# KiCad board GPDI_ULX3S_panel.kicad_pcb (continued)
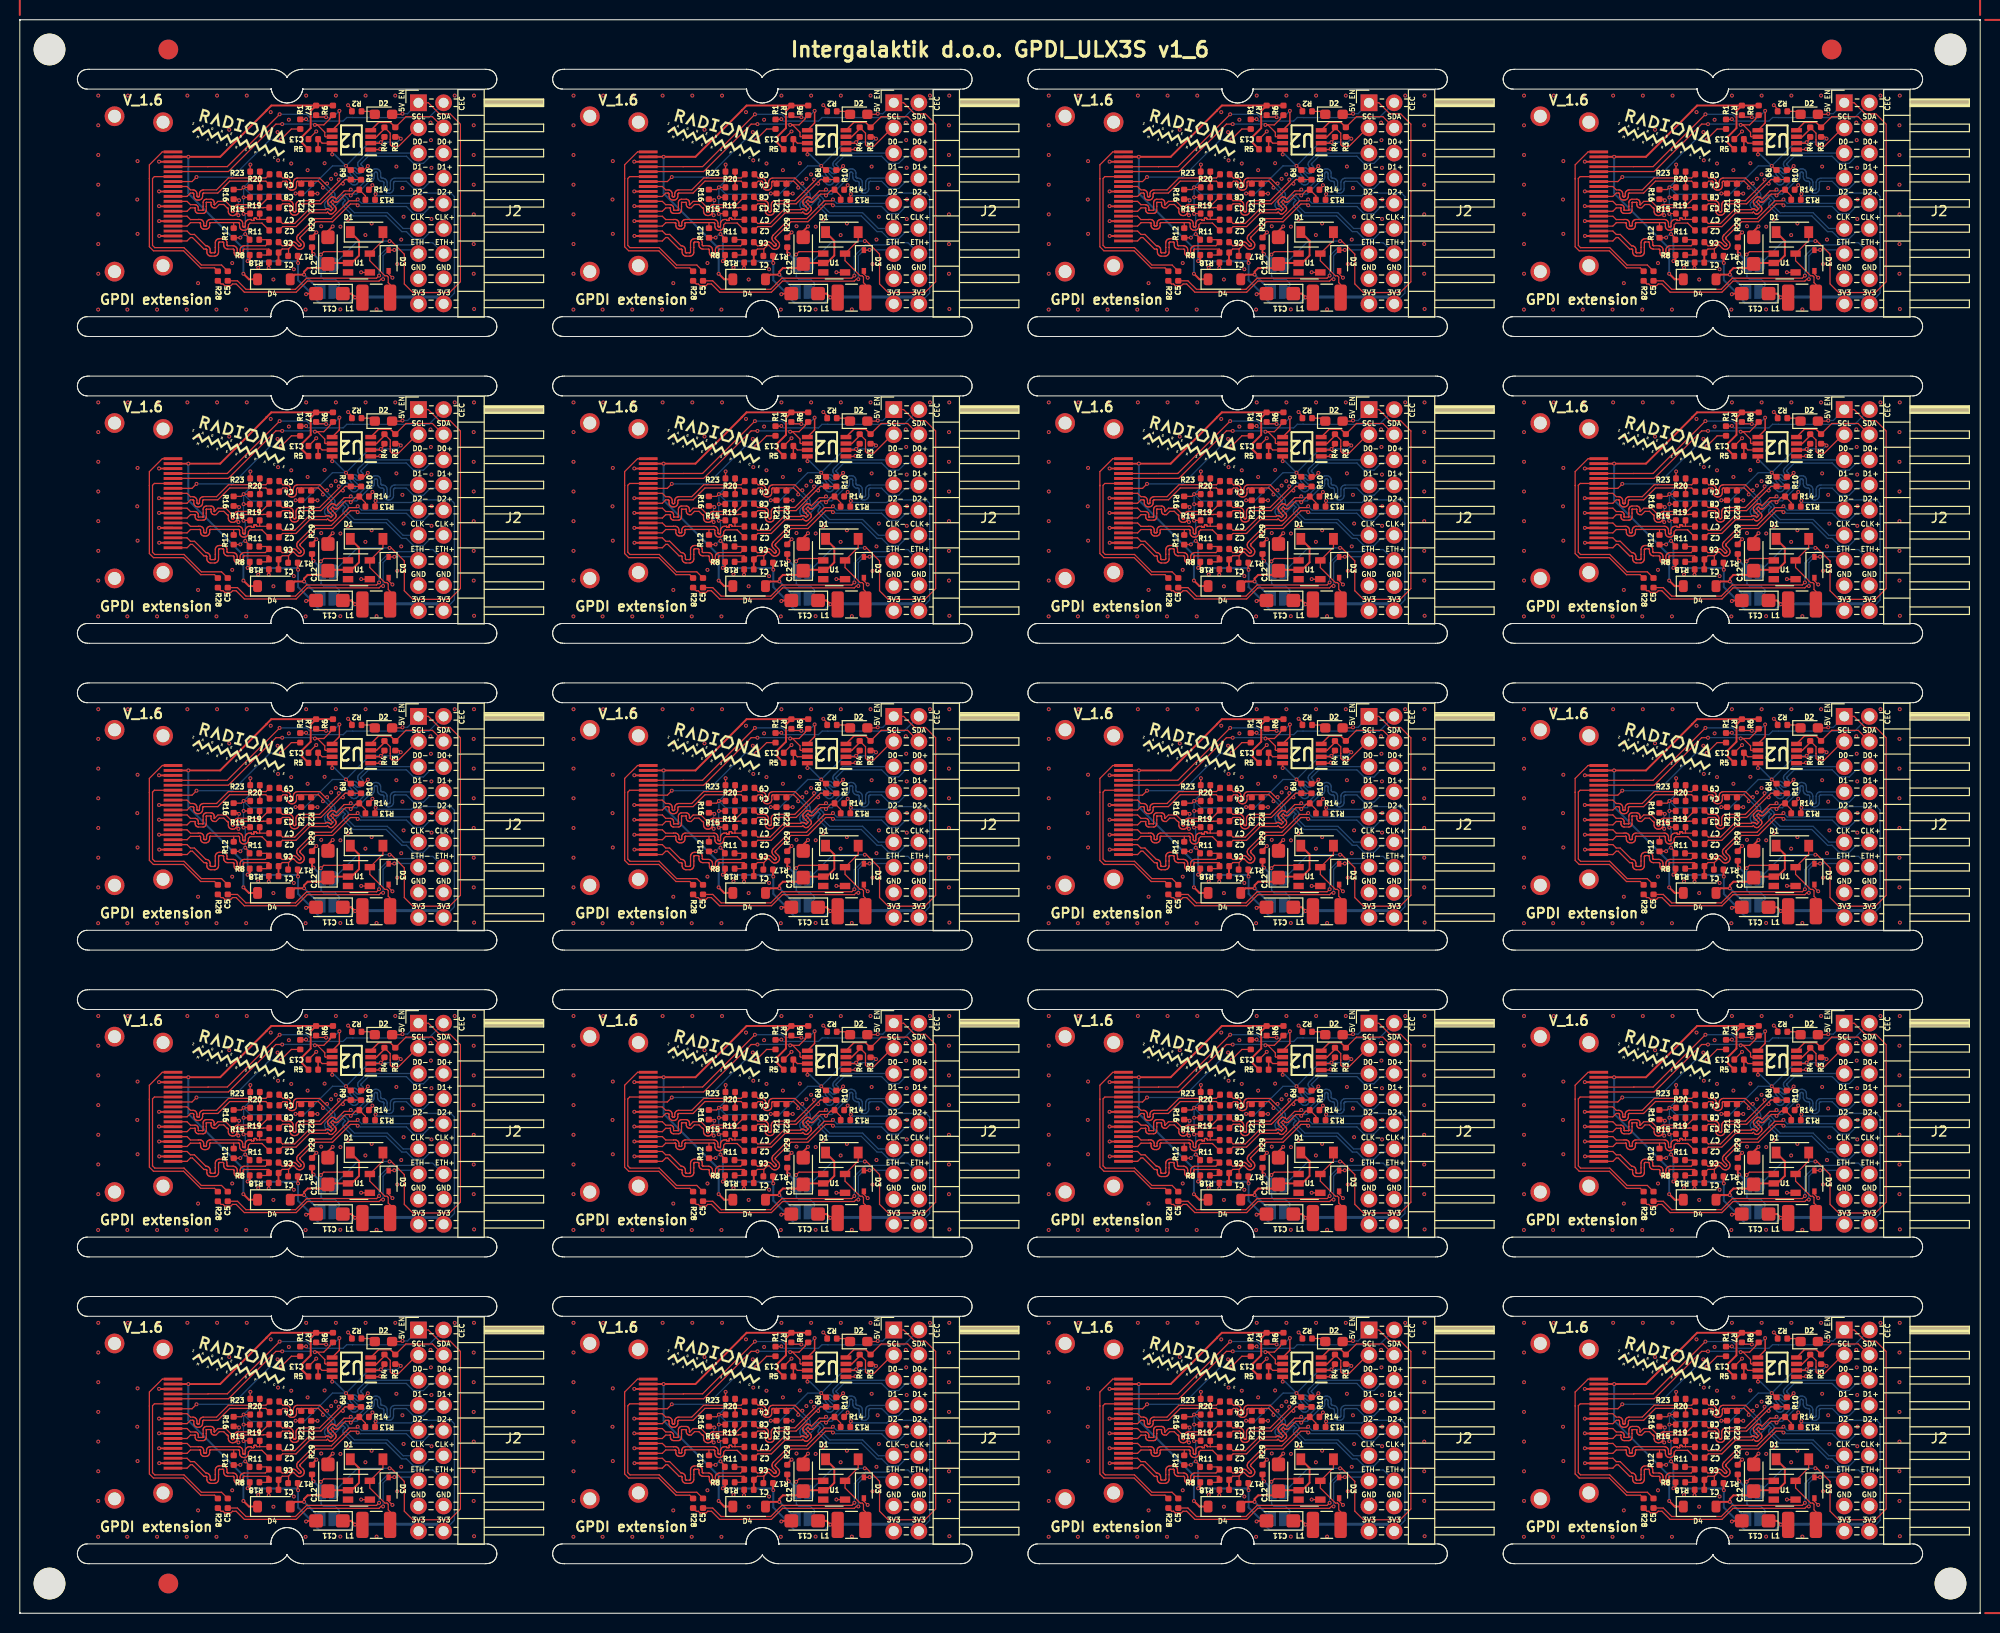
[diagram p0: board, top side]
## Routing (per net, layer and track width the routed paths; a pad name or vN(x,y) marks a point on that pad's centre or on a via; arc(x,y) is an arc through that point) (continued)
  Bottom w0.127: v1(32.63,20.44) 32.63,20.63 32.85,20.85 32.87,20.87 32.9,20.88 32.93,20.89 32.96,20.89 32.99,20.88 33.02,20.87 33.05,20.85 33.46,20.43 33.54,20.37 33.62,20.33 33.72,20.31 33.82,20.31 33.91,20.33 34,20.37 34.07,20.43 34.11,20.47 34.17,20.55 34.21,20.63 34.24,20.73 34.24,20.83 34.21,20.92 34.17,21.01 34.11,21.08 33.7,21.5 33.68,21.52 33.66,21.55 33.66,21.58 33.66,21.61 33.66,21.64 33.68,21.67 33.7,21.7 33.71,21.71 33.73,21.72 33.75,21.72 33.77,21.72 33.79,21.72 33.81,21.71 33.83,21.7 33.95,21.57 34.02,21.51 34.1,21.48 34.18,21.46 34.27,21.46 34.35,21.48 34.43,21.51 34.5,21.57 34.6,21.67 34.66,21.74 34.7,21.82 34.72,21.9 34.72,21.99 34.7,22.07 34.66,22.15 34.6,22.22 34.48,22.35 34.46,22.36 34.45,22.38 34.45,22.4 34.45,22.42 34.45,22.44 34.46,22.46 34.48,22.47 35.22,23.22 39.04,23.22 39.76,22.49 40.76,22.49 41.48,23.22 42.48,23.22 J2#4.6
Board_16-GPDI_D0-: length 20.9
  Top w0.127: C8#15.1 26.53,18.72 27.18,18.72 27.28,18.71 27.37,18.68 27.45,18.63 27.52,18.56 27.57,18.48 27.6,18.39 27.61,18.29 27.61,17.72 27.62,17.69 27.63,17.66 27.64,17.63 27.66,17.61 27.69,17.59 27.72,17.58 27.75,17.58 27.78,17.58 27.81,17.59 27.84,17.61 27.86,17.63 27.88,17.66 27.89,17.69 27.89,17.72 27.89,18.29 27.9,18.39 27.94,18.48 27.99,18.56 28.06,18.63 28.14,18.68 28.23,18.71 28.33,18.72 30.27,18.72 32.22,20.67 v1(32.22,20.86)
  Bottom w0.127: v1(32.22,20.86) 32.41,20.86 32.64,21.09 32.72,21.15 32.81,21.19 32.9,21.22 33,21.22 33.09,21.19 33.18,21.15 33.25,21.09 33.67,20.68 33.69,20.66 33.72,20.64 33.75,20.64 33.78,20.64 33.81,20.64 33.84,20.66 33.87,20.68 33.89,20.7 33.9,20.73 33.91,20.76 33.91,20.79 33.9,20.82 33.89,20.85 33.87,20.88 33.45,21.29 33.39,21.37 33.35,21.45 33.33,21.55 33.33,21.65 33.35,21.74 33.39,21.83 33.45,21.9 33.49,21.94 33.56,21.99 33.63,22.03 33.72,22.05 33.8,22.05 33.89,22.03 33.97,21.99 34.03,21.94 34.16,21.81 34.18,21.8 34.2,21.79 34.22,21.78 34.24,21.78 34.26,21.79 34.28,21.8 34.29,21.81 34.36,21.88 34.37,21.9 34.38,21.91 34.39,21.93 34.39,21.95 34.38,21.97 34.37,21.99 34.36,22.01 34.23,22.14 34.18,22.21 34.14,22.28 34.12,22.37 34.12,22.45 34.14,22.54 34.18,22.62 34.23,22.68 35.08,23.53 J2#4.5
Board_16-GPDI_D1+: length 26.6
  Top w0.127: R13#6.2 34.91,19.21 R14#9.1 34.19,19.74 33.91,19.74 v1(33.42,19.25) 33.29,19.39 32.89,19.39 32.16,18.66 32.1,18.61 32.04,18.59 31.98,18.57 31.91,18.57 31.85,18.59 31.79,18.61 31.73,18.66 31.61,18.78 31.41,18.58 31.63,18.36 31.62,18.35 31.86,18.11 31.9,18.06 31.93,17.99 31.95,17.93 31.95,17.86 31.93,17.8 31.9,17.74 31.86,17.68 31.63,17.46 31.58,17.42 31.52,17.39 31.46,17.37 31.39,17.37 31.32,17.39 31.26,17.42 31.21,17.46 31.08,17.58 30.99,17.49 29.29,17.49 27.9,16.1 26.54,16.1 C2#12.1
  Bottom w0.127: J2#4.8 42.48,20.68 41.48,20.68 40.76,19.95 39.76,19.95 39.04,20.68 37.91,20.68 37.87,20.67 37.84,20.66 37.81,20.64 37.78,20.61 37.76,20.58 37.75,20.55 37.75,20.51 37.75,19.94 37.73,19.84 37.7,19.74 37.65,19.65 37.57,19.58 37.49,19.53 37.39,19.49 37.29,19.48 37.23,19.48 37.13,19.49 37.04,19.53 36.95,19.58 36.88,19.65 36.82,19.74 36.79,19.84 36.78,19.94 36.78,20.51 36.77,20.55 36.76,20.58 36.74,20.61 36.71,20.64 36.68,20.66 36.65,20.67 36.61,20.68 36.58,20.68 36.48,20.69 36.39,20.72 36.3,20.78 36.23,20.85 36.17,20.93 36.14,21.03 36.13,21.13 36.13,21.45 36.12,21.49 36.11,21.53 36.09,21.56 36.06,21.58 36.03,21.6 36,21.62 35.96,21.62 35.92,21.62 35.89,21.6 35.86,21.58 35.83,21.56 35.81,21.53 35.8,21.49 35.8,21.45 35.8,21.13 35.78,21.03 35.75,20.93 35.7,20.85 35.62,20.78 35.54,20.72 35.44,20.69 35.34,20.68 35.31,20.68 34.03,19.39 33.56,19.39 v1(33.42,19.25)
Board_16-GPDI_D1-: length 21
  Top w0.127: v1(33.42,19.85) 33.29,19.71 32.76,19.71 31.94,18.89 31.82,19.02 31.77,19.06 31.71,19.09 31.64,19.11 31.57,19.11 31.51,19.09 31.45,19.06 31.39,19.02 31.17,18.79 31.13,18.74 31.1,18.68 31.08,18.62 31.08,18.55 31.1,18.48 31.13,18.42 31.17,18.37 31.41,18.13 31.4,18.12 31.62,17.9 31.42,17.7 31.3,17.82 31.24,17.86 31.18,17.89 31.12,17.91 31.05,17.91 30.98,17.89 30.92,17.86 30.87,17.82 30.86,17.81 29.16,17.81 27.77,16.42 26.54,16.42 C7#2.1
  Bottom w0.127: v1(33.42,19.85) 33.56,19.71 33.89,19.71 35.18,21 35.31,21 35.35,21 35.38,21.01 35.41,21.03 35.44,21.06 35.46,21.09 35.47,21.12 35.48,21.16 35.48,21.48 35.49,21.58 35.52,21.68 35.58,21.77 35.65,21.84 35.74,21.89 35.83,21.93 35.93,21.94 35.99,21.94 36.09,21.93 36.19,21.89 36.27,21.84 36.35,21.77 36.4,21.68 36.43,21.58 36.45,21.48 36.45,21.16 36.45,21.12 36.46,21.09 36.48,21.06 36.51,21.03 36.54,21.01 36.57,21 36.61,21 36.64,21 36.74,20.98 36.84,20.95 36.92,20.9 37,20.82 37.05,20.74 37.08,20.64 37.1,20.54 37.1,19.97 37.1,19.93 37.11,19.89 37.13,19.86 37.16,19.84 37.19,19.82 37.22,19.8 37.26,19.8 37.3,19.8 37.33,19.82 37.36,19.84 37.39,19.86 37.41,19.89 37.42,19.93 37.43,19.97 37.43,20.54 37.44,20.64 37.47,20.74 37.53,20.82 37.6,20.9 37.69,20.95 37.78,20.98 37.88,21 J2#4.7
Board_16-GPDI_D2+: length 22.7
  Top w0.127: R17#3.2 27.14,13.19 27.14,13.84 ; C1.1 26.5,13.84 27.14,13.84 ; 27.14,13.84 27.49,14.19 27.51,14.21 27.54,14.22 27.57,14.23 27.6,14.23 27.63,14.22 27.66,14.21 27.69,14.19 27.96,13.92 28.03,13.86 28.12,13.82 28.21,13.79 28.31,13.79 28.4,13.82 28.49,13.86 28.57,13.92 28.61,13.96 28.67,14.03 28.71,14.12 28.73,14.21 28.73,14.31 28.71,14.41 28.67,14.49 28.61,14.57 28.34,14.84 28.32,14.86 28.3,14.89 28.3,14.92 28.3,14.95 28.3,14.98 28.32,15.01 28.34,15.04 29.89,16.59 31.59,16.59 33.39,18.39 33.99,18.39 v1(34.12,18.25)
  Top w0.2: C1.1 26.13,13.47 R18#2.1
  Bottom w0.127: J2#4.10 42.48,18.14 41.48,18.14 40.76,17.41 39.76,17.41 39.04,18.14 34.38,18.14 34.27,18.25 v1(34.12,18.25)
Board_16-GPDI_D2-: length 17.8
  Top w0.127: C6#2.1 26.5,14.16 27.01,14.16 27.28,14.43 27.36,14.49 27.44,14.53 27.54,14.56 27.64,14.56 27.73,14.53 27.82,14.49 27.89,14.43 28.16,14.16 28.19,14.14 28.21,14.13 28.25,14.12 28.28,14.12 28.31,14.13 28.34,14.14 28.36,14.16 28.38,14.19 28.39,14.22 28.4,14.25 28.4,14.28 28.39,14.31 28.38,14.34 28.36,14.36 28.09,14.63 28.03,14.71 27.99,14.79 27.97,14.89 27.97,14.98 27.99,15.08 28.03,15.17 28.09,15.24 29.76,16.91 31.46,16.91 33.26,18.71 33.99,18.71 v1(34.12,18.85)
  Bottom w0.127: J2#4.9 34.52,18.46 v1(34.12,18.85)
Board_16-GPDI_ETH+: length 25.7
  Top w0.127: C5#6.1 21.98,10.62 22.84,9.77 27.84,9.77 28.97,10.89 36.03,10.89 v1(36.29,11.15)
  Bottom w0.127: v1(36.29,11.15) 36.29,13.13 37.41,14.25 39.65,14.25 39.87,14.47 41.71,14.47 J2#4.14
Board_16-GPDI_ETH-: length 24.8
  Top w0.127: 37.25,13.72 37.8,13.72 v1(37.82,13.75) ; v1(36.69,10.79) 36.48,10.79 36.29,10.6 29.03,10.6 27.91,9.48 22.68,9.48 21.85,10.31 21.48,10.31 21.31,10.14 20.69,10.14 20.52,10.31 20.32,10.31 R28#9.2
  Bottom w0.127: J2#4.13 39.89,13.75 v1(37.83,13.75) 37.27,13.75 36.69,13.16 36.69,10.79 v1(36.69,10.79)
Board_16-GPDI_SCL: length 21.1
  Top w0.127: P1#18.15 15.48,21.67 21.07,21.67 25.86,26.46 v1(26.5,26.46) ; R6#17.2 31.32,27.06 31.32,27 30.7,26.38 v1(29.8,26.38) 30.05,26.38 30.8,25.63 30.8,25.25 30.87,25.18 U2#10.6
  Bottom w0.127: v1(26.5,26.46) 26.51,26.47 29.71,26.47 v1(29.8,26.38)
Board_16-GPDI_SDA: length 22.8
  Top w0.127: R7#11.2 30.11,27.18 30.91,27.18 v1(30.93,27.16) ; P1#18.16 19.01,22.15 19.02,22.17 20.96,22.17 v1(26.24,27.45)
  Top w0.15: U2#10.5 32.28,26.57 v1(32.28,27.8)
  Bottom w0.127: v1(26.24,27.45) 28.97,27.45 29.25,27.17 30.92,27.17 v1(30.93,27.16) 30.99,27.1 31.58,27.1 v1(32.28,27.8)
Board_16-Net-(D1-A): length 8.1
  Top w0.127: L1#14.2 37.4,10.25 37.21,10.44 37.21,11.01 37.08,11.13 36.87,11.13 35.35,12.66 U1#7.5 36.67,14.7 D1#8.2
Board_16-Net-(D1-K): length 13.2
  Top w0.2: D1#8.1 34.26,14.66 34.26,13.18 33.51,12.43 U1#7.2 31.22,12.43 C12#10.1 30.7,11.91 29.07,11.91 28.71,11.55 v1(28.71,11.25) 27.78,11.25 D4#9.2
  Bottom w0.2: JP2#17.1 30.37,9.59 v1(28.71,11.25)
Board_16-Net-(D2-K): length 1.5
  Top w0.127: R2#8.1 35.55,27.75 D2#4.1
Board_16-Net-(U2-VREF2): length 2.6
  Top w0.127: C13#5.1 30.53,24.53 U2#10.7
  Top w0.15: R5#16.2 C13#5.1
Board_16-PMOD_SCL: length 8.1
  Top w0.127: 39.88,25.69 J2#4.3 40.11,26.07 38.25,24.21 37.59,24.21 37.41,24.38 37.41,24.88 37.41,24.88 37.41,25.55 R4#14.2
  Top w0.15: R4#14.2 36.82,25.98 36.03,25.18 U2#10.3
Board_16-PMOD_SDA: length 8.8
  Top w0.127: J2#4.4 41.67,27.21 39,27.21 R3#19.2
  Top w0.15: U2#10.4 36.24,26.63 37.43,26.63 R3#19.2
Board_17-5V_ENABLE: length 54.8
  Top w0.127: v1(85.34,14.64) 85.51,14.64 86.83,13.32 86.83,10.31 87.7,9.44 91.41,9.44 92.5,10.53 92.5,26.45 91.46,27.49 90.39,27.49 89.26,28.62 J2#20.1 87.8,28.15 ; D2#6.2 86.59,27.45 v1(86.65,27.51) ; U1#12.1 80.96,13.57 78.7,13.57 v1(78.41,13.28)
  Top w0.2: v1(77.66,13.33) 77.51,13.48 R29#20.1
  Bottom w0.127: JP2#4.2 80.26,10.13 80.26,10.39 79.86,10.79 78.68,10.79 78.44,11.03 78.43,11.03 78.43,12.25 JP1#15.2 78.42,13 78.41,13.01 v1(78.41,13.28) ; v1(86.65,27.51) 87.16,27.51 J2#20.1 ; JP1#15.1 82.12,14.64 v1(85.34,14.64)
  Bottom w0.2: JP1#15.2 78.42,12.57 v1(77.66,13.33)
  Bottom w0.5: JP1#15.2 JP1#15.1
Board_17-+3V3: length 87.4
  Top w0.127: R23#20.1 71.27,22.35 v1(71.29,22.37) ; v1(84.47,24.63) 84.82,24.99 R4#8.1 ; R20#5.1 v1(70.6,20.07) 70.38,19.85 R16#10.1 ; v1(86.47,24.99) 86.3,25.16 R3#2.1 ; R15#2.1 70.62,17.42 v1(70.59,17.39) ; R11#15.1 71.21,14.91 v1(70.77,15.35) ; R9#9.1 81.36,21.82 v1(80.94,22.24) ; R19#7.1 v1(70.6,19.06) ; R13#16.1 83.88,19.33 v1(83.93,19.38) ; v1(81.86,8.95) 81.88,8.93 L1#8.1 ; v1(75.85,19.45) R21#6.1 ; v1(70.27,14.99) 70.26,14.97 R12#5.1
  Top w0.15: v1(84.47,24.63) 84.37,24.53 U2#16.2 ; v1(79.55,23.4) 79.54,23.41 U2#16.8
  Top w0.2: R8#6.1 71.23,12.84 v1(71.01,12.62) ; C11#6.1 81.48,9.33 v1(81.86,8.95) ; R17#16.1 76.07,12.46 v1(76.1,12.43)
  Bottom w0.127: v1(70.27,14.99) 70.63,15.35 v1(70.77,15.35) 70.77,17.22 v1(70.59,17.39) 70.59,19.05 v1(70.6,19.06) v1(70.6,20.07) ; v1(70.6,20.07) 71.3,19.37 75.77,19.37 v1(75.85,19.45) 76.79,19.45 79.58,22.24 v1(80.94,22.24) 83.34,24.63 v1(84.47,24.63) 86.12,24.63 v1(86.47,24.99) ; v1(70.6,20.07) 71.29,20.75 v1(71.29,22.37) ; J2#20.18 91.89,9.38 91.89,19.14 91.54,19.5 87.83,19.5 87.57,19.23 84.08,19.23 v1(83.93,19.38)
  Bottom w0.15: v1(79.55,23.4) 79.78,23.4 v1(80.94,22.24)
  Bottom w0.2: v1(81.86,8.95) 81.32,8.41 78.24,8.41 77.65,9 77.65,9.14 76.1,10.68 v1(76.1,12.43) 75.93,12.6 71.03,12.6 v1(71.01,12.62) 71.01,15.11 v1(70.77,15.35)
  Bottom w0.3: v1(81.86,8.95) 81.9,8.99 90.11,8.99 J2#20.18
Board_17-+5V: length 39.3
  Top w0.2: R7#14.1 77.38,27.79 77.38,26.06 76.53,25.2 76.53,24.55 R5#19.1 ; R7#14.1 R6#6.1 ; R7#14.1 73.4,28.34 72.92,27.85 72.92,27.83 68.24,23.15 v1(65.02,23.15) P1#15.18 ; D4#7.1 71.14,10.78 v1(70.58,11.34)
  Bottom w0.2: v1(70.58,11.34) 70.58,13.9 65.02,19.46 v1(65.02,23.15)
Board_17-/CEC: length 15.1
  Top w0.127: v1(74.37,24.91) 75.43,25.97 R1#2.1 ; v1(65.85,21.11) 65.39,20.65 P1#15.13
  Bottom w0.127: v1(65.85,21.11) 69.47,21.11 73.28,24.91 v1(74.37,24.91)
Board_17-/CLK+: length 12.1
  Top w0.127: C4#5.2 72.85,20.7 69.2,20.7 68,19.5 66.58,19.5 66.55,19.49 66.53,19.48 66.51,19.47 66.49,19.45 66.48,19.43 66.47,19.4 66.46,19.38 66.46,19.19 66.45,19.1 66.42,19.02 66.37,18.94 66.31,18.87 66.23,18.82 66.14,18.79 66.05,18.78 65.98,18.78 65.89,18.79 65.8,18.82 65.73,18.87 65.66,18.94 65.61,19.02 65.58,19.1 65.57,19.19 65.57,19.38 65.57,19.4 65.56,19.43 65.55,19.45 65.53,19.47 65.51,19.48 65.48,19.49 65.45,19.5 65.24,19.5 64.89,19.15 P1#15.10
  Top w0.15: R20#5.2 72.24,20.66
Board_17-/CLK-: length 12.2
  Top w0.127: C9#20.2 72.85,21.02 72.26,21.02 ; P1#15.12 64.89,20.15 65.24,19.81 65.48,19.81 65.57,19.8 65.66,19.77 65.74,19.72 65.8,19.66 65.85,19.58 65.88,19.49 65.89,19.4 65.89,19.22 65.89,19.19 65.9,19.17 65.92,19.15 65.93,19.13 65.96,19.11 65.98,19.1 66.01,19.1 66.03,19.1 66.05,19.1 66.08,19.11 66.1,19.13 66.12,19.15 66.13,19.17 66.14,19.19 66.14,19.22 66.14,19.4 66.16,19.49 66.19,19.58 66.23,19.66 66.3,19.72 66.38,19.77 66.46,19.8 66.56,19.81 67.87,19.81 69.07,21.02 72.26,21.02 ; 72.26,21.02 72.24,21.03 R23#20.2
Board_17-/D0+: length 15.7
  Top w0.127: 69.86,17.38 69.91,17.46 69.94,17.55 69.95,17.64 69.95,17.88 69.95,17.91 69.96,17.93 69.98,17.96 70,17.98 70.02,17.99 70.05,18 70.08,18.01 70.15,18.01 70.18,18 70.2,17.99 70.23,17.98 70.25,17.96 70.26,17.93 70.27,17.91 70.28,17.88 70.28,17.87 70.28,17.84 70.29,17.82 70.3,17.79 70.32,17.77 70.35,17.76 70.37,17.75 70.4,17.75 70.43,17.75 70.46,17.76 70.48,17.77 70.5,17.79 70.52,17.82 70.53,17.84 70.53,17.87 70.53,17.88 70.53,17.91 70.54,17.93 70.56,17.96 70.58,17.98 70.6,17.99 70.63,18 70.66,18.01 72.57,18.01 72.59,18.03 C3#9.2 ; 69.86,17.38 69.79,17.31 69.71,17.26 69.62,17.23 69.53,17.22 69.48,17.22 69.38,17.23 69.3,17.26 69.22,17.31 69.15,17.38 69.1,17.46 69.07,17.55 69.06,17.64 69.06,17.88 69.05,17.91 69.04,17.93 69.03,17.96 69.01,17.98 68.99,17.99 68.96,18 68.93,18.01 68.6,18.34 68.14,18.34 67.8,18 67.65,18 67.58,18 67.5,18.03 67.44,18.07 67.39,18.12 67.35,18.19 67.32,18.26 67.31,18.33 67.31,18.51 67.31,18.52 67.31,18.53 67.3,18.54 67.3,18.54 67.29,18.55 67.28,18.55 67.27,18.55 66.87,18.55 66.86,18.55 66.85,18.55 66.85,18.54 66.84,18.54 66.84,18.53 66.83,18.52 66.83,18.51 66.83,18.15 66.83,17.78 66.82,17.7 66.8,17.63 66.76,17.57 66.7,17.51 66.64,17.47 66.57,17.45 66.49,17.44 66.05,17.44 65.97,17.45 65.9,17.47 65.84,17.51 65.79,17.57 65.75,17.63 65.72,17.7 65.71,17.78 65.71,17.96 65.71,17.97 65.71,17.97 65.7,17.98 65.7,17.99 65.69,17.99 65.68,17.99 65.67,18 65.24,18 64.89,17.65 P1#15.7 ; 69.86,17.38 69.95,17.38 v1(70.08,17.25) ; v1(70.15,18.76) 70.03,18.88 R16#10.2
  Bottom w0.127: v1(70.15,18.76) 70.08,18.7 v1(70.08,17.25)
Board_17-/D0-: length 14.1
  Top w0.127: P1#15.9 64.89,18.65 65.24,18.31 65.69,18.31 65.77,18.31 65.84,18.28 65.9,18.24 65.96,18.19 66,18.12 66.02,18.05 66.03,17.98 66.03,17.8 66.03,17.79 66.03,17.78 66.04,17.77 66.05,17.77 66.05,17.76 66.06,17.76 66.07,17.76 66.47,17.76 66.48,17.76 66.49,17.76 66.5,17.77 66.5,17.77 66.51,17.78 66.51,17.79 66.51,17.8 66.51,18.15 66.51,18.15 66.51,18.53 66.52,18.61 66.55,18.68 66.59,18.74 66.64,18.8 66.7,18.84 66.78,18.86 66.85,18.87 67.29,18.87 67.37,18.86 67.44,18.84 67.51,18.8 67.56,18.74 67.6,18.68 67.62,18.61 67.63,18.53 67.63,18.35 67.63,18.34 67.64,18.34 67.64,18.33 67.65,18.32 67.65,18.32 67.66,18.32 67.67,18.31 68.01,18.65 68.8,18.65 69.28,18.17 69.33,18.09 69.37,18 69.38,17.91 69.38,17.67 69.38,17.64 69.39,17.61 69.4,17.59 69.42,17.57 69.45,17.55 69.48,17.54 69.5,17.54 69.53,17.54 69.56,17.55 69.58,17.57 69.6,17.59 69.62,17.61 69.63,17.64 69.63,17.67 69.63,17.91 69.64,18 69.67,18.09 69.72,18.17 69.79,18.23 69.87,18.28 69.96,18.31 70.05,18.33 72.39,18.33 C8#11.2 73.13,19.06
  Top w0.15: R19#7.2 72.22,18.34 72.2,18.33
Board_17-/D1+: length 12.6
  Top w0.127: C2#3.2 72.45,16.46 71.26,16.46 71.09,16.29 71.09,16.15 71.08,16.05 71.05,15.97 71,15.89 70.93,15.82 70.85,15.77 70.76,15.74 70.67,15.73 70.62,15.73 70.52,15.74 70.44,15.77 70.36,15.82 70.29,15.89 70.24,15.97 70.21,16.05 70.2,16.15 70.2,16.38 70.19,16.41 70.18,16.43 70.17,16.46 70.15,16.48 70.13,16.49 70.1,16.5 70.07,16.51 67.27,16.51 67.25,16.5 67.23,16.5 67.21,16.49 67.19,16.47 67.18,16.45 67.18,16.43 67.17,16.41 67.17,16.23 67.16,16.14 67.14,16.06 67.09,15.99 67.03,15.93 66.95,15.88 66.87,15.85 66.79,15.84 66.64,15.84 66.56,15.85 66.48,15.88 66.4,15.93 66.34,15.99 66.29,16.06 66.27,16.14 66.26,16.23 66.26,16.41 66.25,16.43 66.25,16.45 66.24,16.47 66.22,16.49 66.2,16.5 66.18,16.5 66.16,16.51 66.15,16.5 65.24,16.5 64.89,16.15 P1#15.4 ; 69.6,15.94 69.6,16.49
Board_17-/D1-: length 12.8
  Top w0.127: P1#15.6 64.89,17.15 65.24,16.81 66.02,16.81 66.03,16.83 66.19,16.83 66.27,16.82 66.35,16.79 66.43,16.74 66.49,16.68 66.54,16.61 66.56,16.52 66.57,16.44 66.57,16.25 66.58,16.23 66.58,16.21 66.59,16.2 66.61,16.18 66.63,16.17 66.65,16.16 66.67,16.16 66.76,16.16 66.78,16.16 66.8,16.17 66.82,16.18 66.84,16.2 66.85,16.21 66.85,16.23 66.86,16.25 66.86,16.44 66.87,16.52 66.89,16.61 66.94,16.68 67,16.74 67.08,16.79 67.16,16.82 67.24,16.83 70.1,16.83 70.19,16.81 70.28,16.78 70.36,16.73 70.42,16.67 70.47,16.59 70.51,16.5 70.52,16.41 70.52,16.17 70.52,16.15 70.53,16.12 70.54,16.09 70.56,16.07 70.59,16.06 70.62,16.05 70.64,16.05 70.67,16.05 70.7,16.06 70.72,16.07 70.74,16.09 70.76,16.12 70.77,16.15 70.77,16.17 70.77,16.41 70.78,16.5 70.81,16.59 70.86,16.67 70.93,16.73 71.01,16.78 71.1,16.81 71.19,16.83 71.34,16.83 71.35,16.82 71.36,16.82 71.37,16.81 71.38,16.81 71.38,16.8 71.39,16.79 71.39,16.76 71.39,16.75 71.4,16.74 71.41,16.74 71.42,16.73 71.43,16.73 71.44,16.73 71.59,16.73 71.6,16.73 71.62,16.73 71.62,16.74 71.63,16.74 71.64,16.75 71.64,16.76 71.64,16.78 71.64,16.9 71.65,16.91 71.65,16.93 71.66,16.94 71.67,16.96 71.68,16.96 71.7,16.97 71.72,16.97 71.82,16.97 71.84,16.97 71.86,16.96 71.87,16.96 71.88,16.94 71.89,16.93 71.9,16.91 71.9,16.88 71.9,16.87 71.91,16.85 71.92,16.84 71.94,16.83 71.95,16.83 71.97,16.83 72.23,16.83 ; R15#2.2 72.23,16.83 ; 72.23,16.83 73.16,16.83 C7#9.2
Board_17-/D2+: length 15
  Top w0.127: R8#6.2 72.92,13.23 C1#13.2 73.17,13.8 73.14,13.83 70.65,13.83 70.62,13.82 70.6,13.79 70.58,13.77 70.57,13.74 70.57,13.71 70.57,13.5 70.56,13.4 70.52,13.31 70.47,13.23 70.4,13.16 70.32,13.1 70.23,13.07 70.13,13.06 70.08,13.06 69.98,13.07 69.89,13.1 69.81,13.16 69.74,13.23 69.69,13.31 69.66,13.4 69.64,13.5 69.64,13.71 69.64,13.74 69.63,13.77 69.61,13.79 69.59,13.82 69.56,13.83 69.01,13.83 68.91,13.84 68.83,13.88 68.75,13.92 68.68,13.99 68.63,14.07 68.6,14.16 68.59,14.25 68.59,14.44 68.59,14.47 68.58,14.49 68.57,14.51 68.55,14.53 68.53,14.54 68.51,14.55 68.48,14.55 68.18,14.55 68.16,14.55 68.14,14.54 68.12,14.53 68.1,14.51 68.09,14.49 68.08,14.47 68.07,14.44 68.07,14 68.07,14 68.07,13.53 68.06,13.44 68.03,13.35 67.98,13.27 67.92,13.21 67.84,13.16 67.75,13.13 67.66,13.12 67.31,13.12 67.21,13.13 67.13,13.16 67.05,13.21 66.98,13.27 66.93,13.35 66.9,13.44 66.89,13.53 66.89,13.73 66.89,13.75 66.88,13.77 66.87,13.79 66.85,13.81 66.83,13.82 66.81,13.83 66.78,13.83 66.6,13.83 65.43,15 65.24,15 64.89,14.65 P1#15.1
Board_17-/D2-: length 14.8
  Top w0.127: R11#15.2 72.91,14.78 C6.2 72.8,14.17 70.68,14.17 70.59,14.16 70.49,14.12 70.41,14.07 70.34,14 70.29,13.92 70.26,13.83 70.25,13.73 70.25,13.52 70.24,13.49 70.23,13.46 70.22,13.43 70.19,13.41 70.17,13.39 70.14,13.38 70.11,13.38 70.07,13.38 70.04,13.39 70.02,13.41 69.99,13.43 69.98,13.46 69.97,13.49 69.96,13.52 69.96,13.73 69.95,13.83 69.92,13.92 69.87,14 69.8,14.07 69.72,14.12 69.63,14.16 69.53,14.17 69.03,14.17 69.01,14.17 68.99,14.18 68.97,14.19 68.95,14.21 68.94,14.23 68.93,14.25 68.92,14.27 68.92,14.47 68.91,14.56 68.88,14.65 68.83,14.73 68.77,14.79 68.69,14.84 68.6,14.87 68.51,14.88 68.16,14.88 68.06,14.87 67.98,14.84 67.9,14.79 67.83,14.73 67.78,14.65 67.75,14.56 67.74,14.47 67.74,14 67.74,13.56 67.74,13.54 67.73,13.51 67.72,13.49 67.7,13.48 67.68,13.46 67.66,13.45 67.63,13.45 67.33,13.45 67.31,13.45 67.28,13.46 67.26,13.48 67.25,13.49 67.23,13.51 67.23,13.54 67.22,13.56 67.22,13.75 67.21,13.84 67.18,13.93 67.13,14.01 67.07,14.08 66.99,14.13 66.9,14.16 66.81,14.17 66.78,14.17 65.64,15.31 65.24,15.31 64.89,15.65 P1#15.3
Board_17-/ETH+: length 17.6
  Top w0.127: C5#18.2 68.38,12.22 66.34,12.22 64.58,13.98 61.63,13.98 61.4,14.2 61.4,20.97 61.59,21.15 P1#15.14
Board_17-/ETH-: length 19.2
  Top w0.127: 61.09,20.93 61.09,22.35 62.39,23.65 P1#15.19 ; 61.09,20.93 61.09,20.97 ; 61.09,20.93 61.09,14.07 61.5,13.66 64.54,13.66 66.27,11.93 67.67,11.93 R28.1
Board_17-GND: length 17.5
  Top w0.127: C13#7.2 77.94,25.72 v1(77.94,25.72) ; v1(78.07,19.44) 78.07,19.44 R22#15.2 ; R14#10.2 83.61,20.19 v1(83.61,20.29) ; R2#18.2 81.54,27.98 v1(81.15,28.37) ; D3#10.2 85.25,11.32 v1(85.63,10.94) ; v1(83.15,22.22) 82.75,21.82 R10#5.2 ; U1#12.4 82.49,11.47 v1(82.47,11.49)
  Top w0.15: U2#16.1 84.35,23.88 v1(84.4,23.94)
  Top w0.2: v1(62.06,19.66) 62.07,19.65 P1#15.11 ; P1#15.2 62.08,15.15 v1(62.08,15.16) ; v1(77.95,15.52) 77.51,15.08 R29#20.2 ; R18#16.2 73.16,11.94 v1(73.14,11.93) ; v1(62.06,22.67) 62.07,22.65 P1#15.17 ; v1(76.91,9.27) 76.97,9.33 C11#6.2 ; P1#15.5 62.08,16.65 v1(62.07,16.66) ; P1#15.8 62.08,18.15 v1(62.06,18.18) ; v1(79.6,16.12) 79.12,15.64 C12#6.2
  In1.Cu w0.5: 88.38,10.72 J2#20.15
  vias: v1(55.92,29.34) v1(55.92,26.34) v1(55.92,23.34) v1(55.92,20.34) v1(55.92,17.34) v1(55.92,14.34) v1(55.92,11.34) v1(55.91,7.72) v1(58.92,29.34) v1(58.86,7.72) v1(59.89,22.72) v1(59.86,18.84) v1(59.89,15.37) v1(61.92,29.34) v1(61.86,7.72) v1(64.92,29.34) v1(64.86,7.72) v1(66.02,25.97) v1(66,10.39) v1(67.92,29.34) v1(67.86,7.72) v1(69.15,25.89) v1(69.45,12.42) v1(70.92,29.34) v1(70.86,7.72) v1(72.08,11.94) v1(73.34,27.67) v1(73.61,10.76) v1(74.03,25.65) v1(74.08,22.8) v1(75.17,26.9) v1(75.41,22.48) v1(75.68,11.79) v1(76.92,29.34) v1(76.86,7.72) v1(77.07,21.81) v1(78.44,16.14) v1(78.78,22.51) v1(79.44,20.93) v1(79.92,29.34) v1(79.91,21.38) v1(80.38,16.1) v1(80.37,7.74) v1(81.14,16.81) v1(82.92,29.34) v1(82.9,15.25) v1(83.53,16.42) v1(84.03,7.74) v1(85.92,29.34) v1(86.03,22.17) v1(86.12,12.32) v1(86.52,14.79) v1(86.64,20) v1(86.76,17.1) v1(89.48,26.61) v1(89.52,24.84) v1(89.57,22.05) v1(89.6,18.85) v1(89.58,16.87) v1(91.92,29.34) v1(93.84,26.34) v1(93.84,23.34) v1(93.84,20.34) v1(93.84,17.34) v1(93.84,14.34) v1(93.84,11.34) v1(93.87,29.34) v1(93.88,7.78)
Board_17-GPDI_CEC: length 15.3
  Top w0.127: R1#2.2 76.89,26.94 v1(76.91,26.96)
  Bottom w0.127: J2#20.2 89.31,27.12 81.61,27.12 81.6,27.13 81.02,27.13 80.66,26.77 77.1,26.77 v1(76.91,26.96)
Board_17-GPDI_CLK+: length 24.8
  Top w0.127: R21#6.2 76.42,20.67 76.45,20.69 ; 76.45,20.69 76.09,20.69 76.06,20.69 76.03,20.68 76,20.66 75.98,20.64 75.96,20.61 75.95,20.58 75.95,20.55 75.95,20.22 75.94,20.12 75.9,20.03 75.85,19.95 75.78,19.88 75.7,19.83 75.61,19.8 75.51,19.79 75.46,19.79 75.36,19.8 75.27,19.83 75.19,19.88 75.12,19.95 75.07,20.03 75.04,20.12 75.03,20.22 75.03,20.55 75.02,20.58 75.01,20.61 75,20.64 74.97,20.66 74.95,20.68 74.92,20.69 74.89,20.69 74.57,20.69 C4#5.1 ; 76.45,20.69 77.43,20.69 ; 77.43,20.69 78.16,20.69 78.62,20.23 v1(78.62,20.04) ; 77.43,20.69 R22#15.1
  Bottom w0.127: J2#20.12 90.48,15.6 89.48,15.6 88.76,14.87 87.76,14.87 87.04,15.6 86.58,15.6 84.99,17.19 81.66,17.19 80.73,18.12 80.68,18.18 80.65,18.25 80.63,18.32 80.63,18.39 80.65,18.47 80.68,18.53 80.73,18.59 80.85,18.72 80.86,18.72 80.86,18.73 80.86,18.74 80.86,18.75 80.86,18.75 80.86,18.76 80.85,18.77 80.67,18.95 80.66,18.96 80.65,18.96 80.65,18.96 80.64,18.96 80.63,18.96 80.63,18.96 80.62,18.95 79.59,17.93 79.51,17.86 79.42,17.82 79.32,17.8 79.22,17.8 79.12,17.82 79.03,17.86 78.95,17.93 78.91,17.97 78.85,18.05 78.8,18.14 78.78,18.24 78.78,18.34 78.8,18.44 78.85,18.53 78.91,18.61 79.46,19.16 79.48,19.19 79.5,19.22 79.5,19.26 79.5,19.29 79.5,19.33 79.48,19.36 79.46,19.39 78.81,20.04 v1(78.62,20.04)
Board_17-GPDI_CLK-: length 21
  Top w0.127: v1(79.03,20.46) 78.84,20.46 78.29,21.01 76.06,21.01 75.96,21 75.87,20.97 75.79,20.92 75.72,20.85 75.67,20.77 75.64,20.68 75.63,20.58 75.63,20.25 75.62,20.21 75.61,20.18 75.6,20.16 75.57,20.14 75.55,20.12 75.52,20.11 75.49,20.1 75.46,20.11 75.43,20.12 75.4,20.14 75.38,20.16 75.36,20.18 75.35,20.21 75.35,20.25 75.35,20.58 75.34,20.68 75.3,20.77 75.25,20.85 75.18,20.92 75.1,20.97 75.01,21 74.91,21.01 74.57,21.01 C9#20.1
  Bottom w0.127: v1(79.03,20.46) 79.03,20.27 79.7,19.6 79.76,19.52 79.81,19.43 79.83,19.33 79.83,19.23 79.81,19.13 79.76,19.03 79.7,18.95 79.15,18.41 79.13,18.38 79.12,18.34 79.11,18.31 79.11,18.27 79.12,18.24 79.13,18.2 79.15,18.17 79.18,18.15 79.22,18.13 79.25,18.13 79.29,18.13 79.33,18.13 79.36,18.15 79.39,18.17 80.41,19.19 80.47,19.24 80.53,19.27 80.61,19.29 80.68,19.29 80.75,19.27 80.82,19.24 80.88,19.19 81.09,18.98 81.14,18.92 81.17,18.85 81.19,18.78 81.19,18.71 81.17,18.63 81.14,18.57 81.09,18.51 80.97,18.38 80.96,18.37 80.96,18.37 80.96,18.36 80.96,18.35 80.96,18.35 80.96,18.34 80.97,18.33 81.79,17.51 85.12,17.51 86.71,15.91 J2#20.11
Board_17-GPDI_D0+: length 26.3
  Top w0.127: R10#5.1 82.46,20.85 R9#9.2 80.86,20.85 80.63,20.63 v1(80.63,20.44) 80.44,20.44 78.4,18.4 76.35,18.4 76.32,18.4 76.29,18.39 76.26,18.37 76.24,18.35 76.23,18.32 76.22,18.29 76.21,18.26 76.21,17.69 76.2,17.59 76.17,17.5 76.12,17.42 76.05,17.35 75.97,17.3 75.88,17.27 75.78,17.26 75.73,17.26 75.63,17.27 75.54,17.3 75.46,17.35 75.39,17.42 75.34,17.5 75.3,17.59 75.29,17.69 75.29,18.26 75.29,18.29 75.28,18.32 75.26,18.35 75.24,18.37 75.21,18.39 75.18,18.4 75.15,18.4 74.53,18.4 C3#9.1
  Bottom w0.127: J2#20.6 90.48,23.22 89.48,23.22 88.76,22.49 87.76,22.49 87.04,23.22 83.22,23.22 82.47,22.47 82.46,22.46 82.45,22.44 82.45,22.42 82.45,22.4 82.45,22.38 82.46,22.36 82.47,22.35 82.6,22.22 82.66,22.15 82.7,22.07 82.72,21.99 82.72,21.9 82.7,21.82 82.66,21.74 82.6,21.67 82.5,21.57 82.43,21.51 82.35,21.48 82.27,21.46 82.18,21.46 82.1,21.48 82.02,21.51 81.95,21.57 81.83,21.7 81.81,21.71 81.79,21.72 81.77,21.72 81.75,21.72 81.73,21.72 81.71,21.71 81.7,21.7 81.68,21.67 81.66,21.64 81.66,21.61 81.66,21.58 81.66,21.55 81.68,21.52 81.7,21.5 82.11,21.08 82.17,21.01 82.21,20.92 82.24,20.83 82.24,20.73 82.21,20.63 82.17,20.55 82.11,20.47 82.07,20.43 82,20.37 81.91,20.33 81.82,20.31 81.72,20.31 81.62,20.33 81.54,20.37 81.46,20.43 81.05,20.85 81.02,20.87 80.99,20.88 80.96,20.89 80.93,20.89 80.9,20.88 80.87,20.87 80.85,20.85 80.63,20.63 v1(80.63,20.44)
